# KiCad board klofi.kicad_pcb (continued)
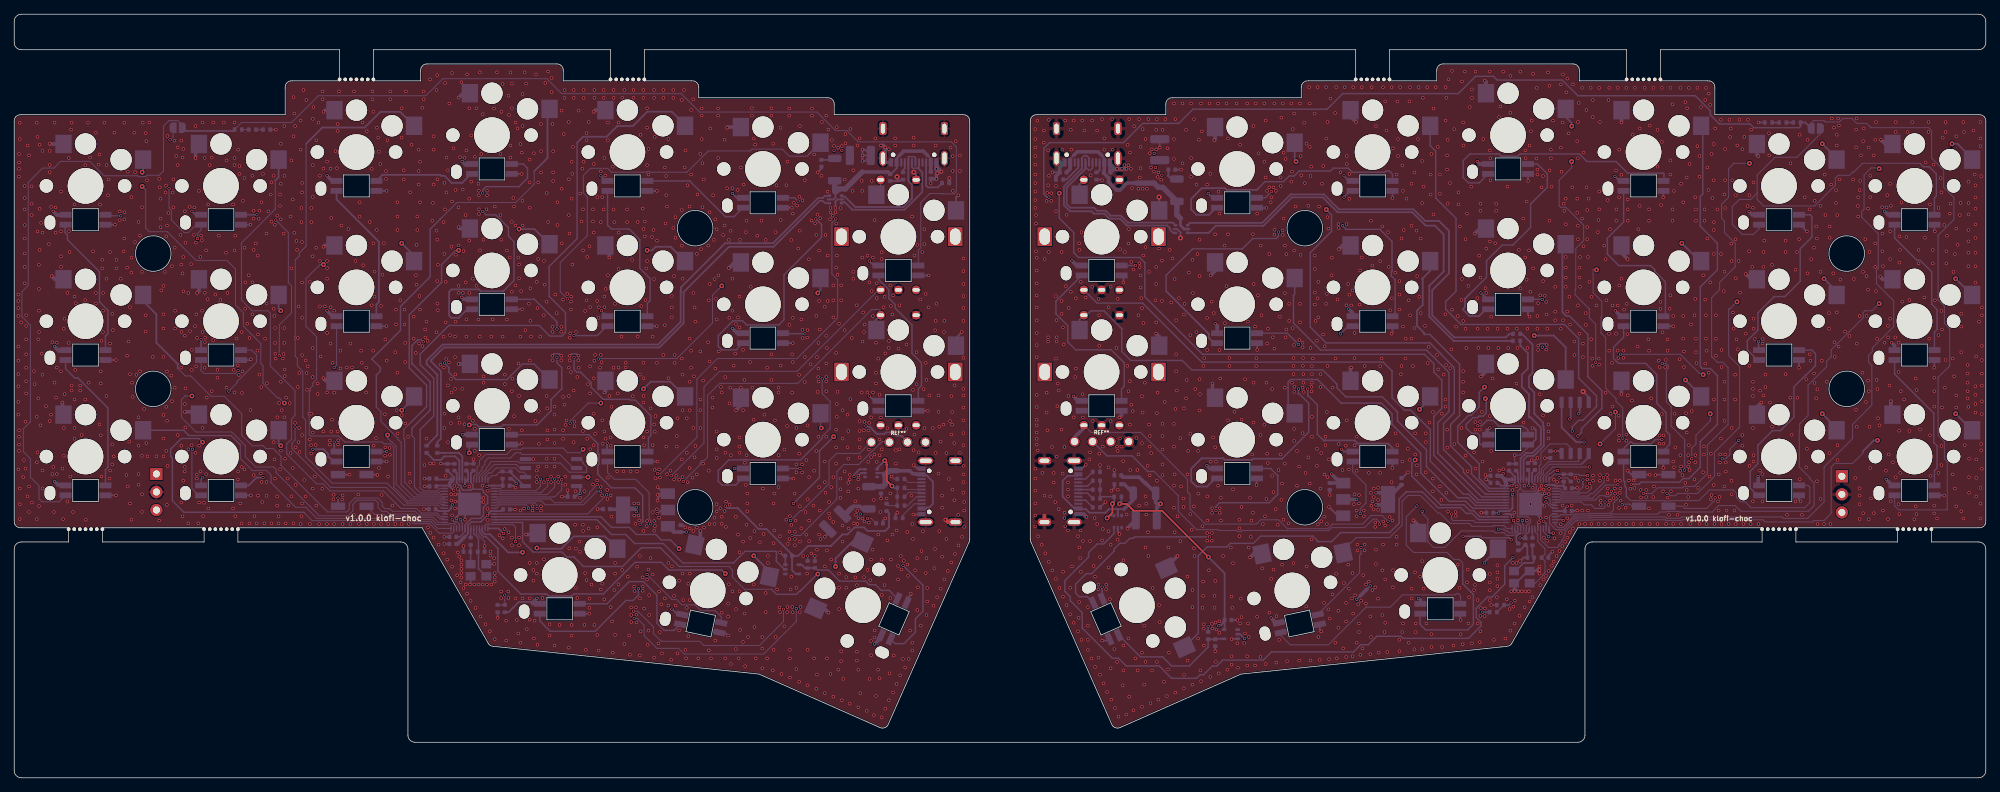
[diagram p0: board, top side]
## Routing (per net, layer and track width the routed paths; a pad name or vN(x,y) marks a point on that pad's centre or on a via; arc(x,y) is an arc through that point) (continued)
GNDR: length 160
  Front w0.508: J6.S3 144.86,36.88
  Back w0.152: v1(152.68,44.02) 152.69,44.01 rR8.1 ; v1(213.38,44.72) 213.8,44.3 rC9.2 ; v1(213.38,44.72) 212.95,44.3 rC16.2 ; v1(213.38,44.72) 213.88,44.72 v1(214.18,45.02) ; v1(153.43,38.82) 153.43,38.81 ; rLED16.3 212.85,46.52 211.75,45.42 v1(210.98,45.42) 210.98,44.4 rC17.2 ; 156.58,35.19 v1(156.58,35.07)
  Back w0.203: v1(219.78,37.62) 219.38,37.62 219.3,37.54 rC11.2 ; v1(215.49,60.92) 215.28,61.12 214.57,61.12 v1(214.29,60.85) ; rU5.19 214.22,35.81 v1(214.39,35.98) ; 153.43,38.81 rR7.1 ; rR2.2 v1(207.68,24.32)
  Back w0.254: v1(211.74,30.5) 212.24,31 rC23.2 212.76,32.5 rC10.2 211.74,32.02 rC8.2 ; 160.76,79.12 160.96,79.32 161.43,79.32 161.53,79.42 ; v1(157.18,83.02) 157.28,83.02 ; rC12.2 v1(206.29,37.32) ; v1(193.78,81.62) 193.8,81.64 rLED5.3 ; v1(271.38,39.72) 271.33,39.76 rLED13.3 ; rLED4.3 212.85,84.04 v1(212.88,84.02) ; v1(210.49,26.25) 210.89,26.65 rY1.2 ; 220.49,54.5 221.39,53.59 rU3.4 ; v2(163.99,76) 163.99,76.8 163.54,77.25 rU2.2 ; rR18.2 v1(245.26,92.25) ; v1(193.78,43.62) 193.8,43.64 rLED17.3 ; rLED20.3 183.58,20.81 v1(183.78,20.62) ; 213.84,29.1 214.34,29.1 v1(214.49,29.25) ; 213.84,29.1 v1(214.49,29.75) v1(214.49,28.75) 214.14,29.1 213.84,29.1 ; 213.84,29.1 rY1.4 212.84,29.1 211.14,27.4 rY1.2 ; rC20.2 154.7,43.3 v1(154.68,43.32) ; v1(231.88,43.62) 231.9,43.64 rLED15.3 ; v1(213.22,38.54) 213.22,39.36 213.87,40.01 213.94,40.01 214.35,40.42 214.35,40.48 v1(214.49,40.63) ; v1(213.22,38.54) 214.85,38.54 v1(215.15,38.24) ; v1(213.22,38.54) 213.22,37.97 v1(214.63,36.56) ; v1(213.22,38.54) 213.7,38.54 v1(215.2,40.05) ; v1(213.22,38.54) 212.65,39.11 ; v1(215.24,45) 215.26,45.02 rC3.2 ; v1(206.98,42.02) 207.1,42.02 rC13.2 ; rLED8.3 250.95,57.74 v1(250.98,57.72) ; v1(155.98,69.72) 155.98,70.44 rEXLED1.3 ; v1(210.99,26.25) 210.89,26.35 rY1.2 ; rC22.2 215.72,31.26 v1(216.28,31.82) ; rY1.2 210.89,26.85 v1(211.49,26.25) v1(212.99,26.25) ; v1(213.08,64.92) 212.85,65.14 rLED10.3 ; v1(145.99,85.25) 146.98,85.25 rC6.2 ; rSW10.2 206.07,77.32 ; 226,92.26 v1(225.99,92.25) ; rSW21.2 162.01,29.65 ; v1(154.28,40.42) 154.7,40.84 rC21.2 ; v1(174.68,41.22) 174.68,42.07 rLED18.3 ; v1(270.08,76.92) 270,76.99 rLED1.3 ; v1(193.68,62.52) 193.8,62.64 rLED11.3 ; v1(203.38,22.22) 203.33,22.27 rLED19.3 ; v1(233.28,63.57) rLED9.3 ; v1(168.88,17.82) rC25.2 ; 263.88,51.35 rSW13.2 ; J6.B1 150.13,43.52 v1(150.68,44.07) ; rSMDSW2.1 230.84,42.68 v1(230.78,42.62) ; rLED3.3 231.9,81.74 v1(231.88,81.72) ; v1(152.98,84.12) 152.89,84.21 rR6.1 ; rU6.3 171.23,19.57 v1(171.18,19.52) ; v1(213.48,49.22) 213.71,49.22 213.96,48.97 213.96,47.64 213.22,46.9 rLED16.3 ; rU5.32 210.35,37.14 v1(210.68,36.82) ; v1(219.78,40.82) 219.72,40.76 rC15.2 ; rSMDSW1.1 228.48,42.63 v1(227.7,41.85) ; rSMDSW1.1 v1(229.98,42.68) ; rSMDSW1.1 227.41,42.68 v1(226.88,43.22) ; rLED6.3 174.77,80.22 v1(176.08,80.22) ; rC2.2 195.17,42.21 v1(195.98,43.02) ; rC24.2 v1(171.98,22.22) ; rSW9.2 226,73.89 ; 225.99,55.87 rSW15.2 ; v1(152.98,19.32) 153.8,19.32 rLED21.3 ; rU4.2 155.18,34.57 v1(155.43,34.32) ; v1(184.98,39.82) rC1.2 ; rC4.2 v1(161.08,88.72) ; rLED12.3 174.78,61.17 v1(174.78,60.22) ; v2(160.99,81.75) 161,81.74 rEXSW1.S1 ; v1(269.98,57.72) 270,57.74 rLED7.3 ; rSW8.2 244.22,70.17 ; rC5.2 v1(164.08,85.62) ; v1(251.18,38.92) 250.95,39.14 rLED14.3 ; rU1.1 186.11,36.88 v1(184.88,38.12) ; rC14.2 206.98,42.52 v1(206.88,42.62) ; rC18.2 rC17.2 ; v1(252.08,76.92) 251.13,77.86 rLED2.3 ; 161.52,78.92 161.98,78.92
  Back w0.508: v1(156.4,85.72) 154.88,85.72 154.08,86.53 J5.B1 154.08,85.3 rC7.2 154.66,85.72 v1(155.08,85.72) ; v1(168.74,89.75) 168.85,89.86 rSW6.2 ; v1(225.99,54) 225.99,55.87 ; rSW19.2 197.43,35.56 v1(196.74,36.25) ; J5.A1 147.01,85.96 rC6.2 146.48,84.69 rR5.1 ; J5.A1 147.13,86.63 J5.S1 ; J5.A1 147.68,86.42 ; v1(168.49,55.5) 168.49,53.87 rSW18.2 ; rSW3.2 226,92.26 ; v1(187.99,57.75) 187.9,57.66 rSW17.2 ; rSW5.2 187.9,93.09 v1(188.68,92.32) ; 206.07,77.32 v1(205.38,76.62) ; rEXSW2.S1 161,62.09 v1(160.58,62.52) ; 226,73.89 v1(226.88,73.02) ; J6.A1 150.38,37.12 v1(150.78,36.72) ; v1(262.49,89.82) 263.08,89.22 rSW1.2 ; rSW16.2 206.95,57.21 v1(206.24,56.5) ; rC19.2 156.58,35.19 ; v1(168.24,70.75) 168.85,71.36 rSW12.2 ; 162.01,29.65 v1(163.58,31.22) ; v1(245.24,87.5) 245.05,87.69 rSW2.2 ; rSW11.2 186.79,74.94 v1(186.28,74.42) ; rSW4.2 206.95,97.94 v1(206.78,98.12) ; v1(245.68,52.82) 245.05,52.19 rSW14.2 ; v1(155.39,50.72) 155.7,51.03 rEXLED2.3 ; v1(173.78,31.02) 174.27,31.51 rSW20.2 ; 244.22,70.17 v1(243.48,70.92) ; v1(263.88,53.02) 263.88,51.35 ; v1(262.38,70.52) 262.72,70.17 rSW7.2
  Back w0.762: 161.28,80.32 161.48,80.32
  vias: v1(143.58,91.32) v1(143.58,89.92) v1(143.58,88.72) v1(143.58,87.52) v1(143.58,86.32) v1(143.58,84.92) v1(143.58,83.72) v1(143.58,82.52) v1(143.58,81.32) v1(143.58,80.22) v1(143.58,43.52) v1(143.58,42.12) v1(143.58,40.42) v1(143.58,38.62) v1(143.58,36.92) v1(143.58,35.4) v1(143.68,79.22) v1(143.68,78.02) v1(143.68,74.12) v1(143.78,73.2) v1(143.78,71.4) v1(143.78,69.6) v1(143.78,67.9) v1(143.78,66.2) v1(143.78,64.4) v1(143.78,62.6) v1(143.78,60.9) v1(143.78,59.2) v1(143.78,53.9) v1(143.78,52.2) v1(143.78,50.4) v1(143.78,49.62) v1(143.78,48.6) v1(143.78,47.72) v1(143.78,46.9) v1(143.88,92.52) v1(143.93,46.07) v1(143.98,34) v1(144.48,32.8) v1(144.58,42.92) v1(144.78,91.12) v1(144.78,89.42) v1(144.88,73.02) v1(144.88,39.72) v1(144.98,31.6) v1(145.26,82.33) v1(145.17,81.21) v1(145.18,54.22) v1(145.18,51.42) v1(145.28,48.92) v1(145.38,88.32) v1(145.38,83.42) v1(145.38,62.02) v1(145.38,61.42) v1(145.48,92.62) v1(145.49,84.75) v1(145.48,74.02) v1(145.48,30.4) v1(145.68,39.62) v1(145.81,82.29) v1(145.81,81.21) v1(145.93,46.57) v1(145.98,29.2) v1(146.18,42.92) v1(146.18,41.57) v1(146.38,38.82) v1(146.49,83.32) v1(146.49,79.75) v1(146.48,67.82) v1(146.49,59) v1(146.48,28) v1(146.58,64.42) v1(146.58,62.02) v1(146.58,61.42) v1(146.58,45.22) v1(146.74,55.5) v1(146.68,52.32) v1(146.88,54.52) v1(146.88,37.82) v1(146.98,26.7) v1(147.28,74.02) v1(147.28,67.12) v1(147.28,65.32) v1(147.28,49.02) v1(147.38,88.42) v1(147.43,42.82) v1(147.48,63.42) v1(147.49,29) v1(147.48,25.5) v1(147.58,61.02) v1(147.68,46.57) v1(147.68,37.32) v1(147.68,36.57) v1(147.78,92.52) v1(147.78,35.42) v1(147.88,69.22) v1(147.99,79.25) v1(147.98,24.3) v1(148.24,53.75) v1(148.18,41.57) v1(148.18,40.57) v1(148.18,39.62) v1(148.18,34.82) v1(148.28,66.12) v1(148.49,26.75) v1(148.48,23.02) v1(148.58,91.22) v1(148.58,68.42) v1(148.68,88.42) v1(148.74,29.75) v1(148.98,92.52) v1(148.99,50.75) v1(148.98,21.82) v1(149.18,56.42) v1(149.28,67.52) v1(149.28,57.62) v1(149.58,34.02) v1(149.58,20.62) v1(149.74,75.25) v1(149.74,24.75) v1(149.68,22.52) v1(149.78,74.32) v1(149.78,32.42) v1(149.93,34.82) v1(149.88,30.92) v1(149.98,69.82) v1(149.99,29) v1(150.08,76.82) v1(150.08,19.42) v1(150.18,92.52) v1(150.24,54) v1(150.28,50.72) v1(150.28,33.32) v1(150.48,91.12) v1(150.68,67.62) v1(150.98,24.02) v1(150.98,21.42) v1(150.98,19.42) v1(150.98,18) v1(151.18,44.82) v1(151.28,45.82) v1(151.28,33.32) v1(151.38,84.82) v1(151.48,16.8) v1(151.58,92.52) v1(151.58,69.12) v1(151.68,50.22) v1(151.78,29.82) v1(151.93,36.57) v1(151.98,28.32) v1(151.98,15.6) v1(152.28,91.12) v1(152.28,35.72) v1(152.46,27.2) v1(152.43,26.53) v1(152.48,67.42) v1(152.55,65.12) v1(152.48,16.92) v1(152.58,60.82) v1(152.58,45.62) v1(152.68,31.07) v1(152.68,14.5) v1(152.98,92.72) v1(152.98,33.42) v1(153.08,46.62) v1(153.08,35.02) v1(153.18,13.3) v1(153.28,90.02) v1(153.28,88.42) v1(153.55,27.18) v1(153.53,26.55) v1(153.68,12.1) v1(153.88,66.25) v1(153.88,43.72) v1(153.88,34.72) v1(153.88,29.62) v1(154.07,25.15) v1(154.18,69.12) v1(154.18,50.22) v1(154.18,32.82) v1(154.18,15.42) v1(154.28,11) v1(154.38,92.72) v1(154.48,88.42) v1(154.68,18.12) v1(154.78,9.8) v1(154.99,60.5) v1(155.08,46.62) v1(155.08,16.32) v1(155.18,67.42) v1(155.18,46.02) v1(155.18,40.57) v1(155.18,33.52) v1(155.28,8.6) v1(155.49,74.42) v1(155.49,47.75) v1(155.68,46.62) v1(155.78,85.72) v1(155.93,44.57) v1(155.88,13.02) v1(155.98,30.62) v1(155.98,18.62) v1(155.98,15.12) v1(156.1,86.25) v1(156.18,74.02) v1(156.43,37.07) v1(156.38,8.9) v1(156.53,58) v1(156.58,89.12) v1(156.68,86.22) v1(156.74,77.25) v1(156.68,75.22) v1(156.68,54.42) v1(156.68,19.62) v1(156.78,92.72) v1(156.78,11.42) v1(156.88,88.02) v1(156.88,55.82) v1(156.88,49.72) v1(156.93,43.32) v1(157.03,85.72) v1(157.08,72.62) v1(157.08,52.52) v1(157.28,51.62) v1(157.4,71.56) v1(157.38,9.5) v1(157.48,91.72) v1(157.68,16.82) v1(157.78,47.82) v1(157.93,43.32) v1(157.98,15.12) v1(158.08,82.92) v1(158.08,65.12) v1(158.08,45.52) v1(158.18,92.72) v1(158.21,72.44) v1(158.26,71.89) v1(158.18,38.32) v1(158.28,84.52) v1(158.38,88.82) v1(158.38,85.82) v1(158.38,70.72) v1(158.38,69.02) v1(158.48,67.52) v1(158.58,66.12) v1(158.58,53.72) v1(158.58,47.12) v1(158.58,17.62) v1(158.58,10) v1(158.68,91.32) v1(158.68,82.92) v1(158.68,51.42) v1(158.78,73.52) v1(158.78,64.02) v1(158.88,21.42) v1(158.88,13.12) v1(158.98,55.62) v1(159.08,89.92) v1(159.08,74.72) v1(159.08,39.62) v1(159.08,32.42) v1(159.08,16.32) v1(159.18,38.57) v1(159.18,37.07) v1(159.28,82.92) v1(159.38,43.92) v1(159.43,34.57) v1(159.48,92.72) v1(159.48,31.22) v1(159.58,71.22) v1(159.58,49.72) v1(159.67,87.92) v1(159.68,48.12) v1(159.68,46.62) v1(159.68,42.57) v1(159.85,85.92) v1(159.78,10.5) v1(159.88,45.72) v1(159.97,88.48) v1(159.99,15.12) v1(160.08,26.72) v1(160.27,85.33) v1(160.48,67.22) v1(160.58,91.22) v1(160.57,88.45) v1(160.58,71.92) v1(160.58,69.52) v1(160.58,64.12) v1(160.68,92.72) v1(160.68,51.32) v1(160.68,41.82) v1(160.68,16.32) v1(160.79,84.59) v1(160.78,54.22) v1(160.89,85.21) v1(160.88,11) v1(160.98,74.52) v1(160.98,24.32) v1(161.08,21.92) v1(161.27,84.2) v1(161.38,72.82) v1(161.38,67.12) v1(161.48,91.22) v1(161.48,49.82) v1(161.48,48.12) v1(161.48,46.22) v1(161.48,44.12) v1(161.48,42.62) v1(161.68,13.52) v1(161.78,52.92) v1(161.88,92.72) v1(162.08,11.5) v1(162.18,88.62) v1(162.24,15.25) v1(162.28,32.42) v1(162.38,17.62) v1(162.48,74.32) v1(162.68,66.92) v1(162.88,73.12) v1(163.08,94.92) v1(163.08,89.92) v1(163.08,87.12) v1(163.08,49.82) v1(163.08,46.62) v1(163.08,41.12) v1(163.08,38.02) v1(163.18,70.22) v1(163.18,42.72) v1(163.18,34.57) v1(163.28,92.72) v1(163.28,51.92) v1(163.28,12) v1(163.38,64.42) v1(163.38,59.62) v1(163.38,57.22) v1(163.48,54.52) v1(163.58,36.82) v1(163.78,67.52) v1(163.98,47.82) v1(163.98,33.32) v1(164.08,41.02) v1(164.28,94.92) v1(164.28,86.52) v1(164.43,39.32) v1(164.43,38.12) v1(164.48,65.22) v1(164.48,52.02) v1(164.49,14.5) v1(164.48,12.6) v1(164.58,66.72) v1(164.78,91.22) v1(164.78,53.42) v1(164.88,56.02) v1(164.98,42.72) v1(164.98,28.32) v1(164.99,16.5) v1(165.08,46.02) v1(165.18,71.12) v1(165.38,62.32) v1(165.38,48.42) v1(165.38,37.12) v1(165.48,94.92) v1(165.48,87.25) v1(165.48,84.62) v1(165.58,34.92) v1(165.68,72.92) v1(165.74,68.25) v1(165.68,26.42) v1(165.68,24.02) v1(165.68,13.1) v1(165.88,92.72) v1(165.88,38.22) v1(165.88,32.32) v1(165.98,31.22) v1(166.08,54.72) v1(166.24,83.5) v1(166.24,62.75) v1(166.38,73.72) v1(166.48,46.02) v1(166.49,40) v1(166.48,19.62) v1(166.58,89.82) v1(166.68,75.75) v1(166.68,70.62) v1(166.68,56.12) v1(166.74,54.02) v1(166.68,51.72) v1(166.78,15.12) v1(166.88,94.92) v1(166.88,13.6) v1(166.99,91) v1(167.08,35.42) v1(167.08,23.92) v1(167.22,57.98) v1(167.18,27.62) v1(167.18,25.62) v1(167.32,59.09) v1(167.28,21.62) v1(167.28,21.02) v1(167.28,18.62) v1(167.74,83.5) v1(167.74,64.75) v1(167.74,60.22) v1(167.75,34.45) v1(167.75,33.38) v1(167.78,39.62) v1(167.78,36.22) v1(167.98,29.22) v1(168.08,94.92) v1(168.18,85.02) v1(168.24,44.5) v1(168.18,14.2) v1(168.38,67.02) v1(168.44,37.94) v1(168.44,37.3) v1(168.41,34.46) v1(168.4,33.38) v1(168.41,21.66) v1(168.48,21.02) v1(168.58,47.92) v1(168.68,65.42) v1(168.78,25.62) v1(168.78,23.92) v1(168.88,76.52) v1(168.88,46.52) v1(168.88,27.72) v1(168.93,21.85) v1(168.99,44.5) v1(169.05,20.88) v1(168.98,16.32) v1(169.28,94.92) v1(169.34,82.5) v1(169.28,41.12) v1(169.38,14.7) v1(169.48,79.42) v1(169.48,60.22) v1(169.51,37.94) v1(169.51,37.3) v1(169.48,22.04) v1(169.47,20.41) v1(169.58,56.22) v1(169.68,39.42) v1(169.68,36.22) v1(169.98,31.22) v1(170.18,74.92) v1(170.24,64) v1(170.48,94.92) v1(170.48,69.22) v1(170.58,15.2) v1(170.68,90.02) v1(170.68,76.52) v1(170.68,50.32) v1(170.86,59.11) v1(170.88,57.98) v1(171.08,32.42) v1(171.18,25.52) v1(171.18,17.12) v1(171.18,15.92) v1(171.28,23.92) v1(171.38,40.62) v1(171.38,30.22) v1(171.58,51.52) v1(171.88,94.92) v1(171.98,18.92) v1(172.08,15.5) v1(172.28,36.32) v1(172.28,35.12) v1(172.28,34.02) v1(172.38,89.12) v1(172.38,21.72) v1(172.48,25.22) v1(172.58,50.42) v1(172.58,38.12) v1(172.58,22.62) v1(172.95,18.98) v1(173.08,56.12) v1(173.08,20.32) v1(173.38,94.92) v1(173.38,17.12) v1(173.38,15.8) v1(173.48,64.22) v1(173.48,21.72) v1(173.58,32.42) v1(173.59,19.82) v1(173.78,39.42) v1(173.88,33.92) v1(173.98,36.22) v1(174.08,45.52) v1(174.24,91.75) v1(174.18,76.52) v1(174.18,37.32) v1(174.28,69.52) v1(174.28,55.62) v1(174.28,50) v1(174.48,63.52) v1(174.48,15.8) v1(174.58,94.92) v1(174.65,59.07) v1(174.63,57.96) v1(174.76,22.67) v1(174.78,79.42) v1(174.88,67.92) v1(174.98,87.92) v1(175.24,48.25) v1(175.24,17.02) v1(175.28,74.92) v1(175.38,65.12) v1(175.49,29.5) v1(175.58,35.72) v1(175.78,94.92) v1(175.78,86.72) v1(175.78,49.72) v1(175.88,36.82) v1(175.98,92.52) v1(175.98,84.52) v1(175.98,16.02) v1(176.16,82.62) v1(176.08,55.62) v1(176.08,39.25) v1(176.18,61.12) v1(176.18,45.62) v1(176.28,63.22) v1(176.28,44.32) v1(176.48,83.12) v1(176.48,73.72) v1(176.49,23.25) v1(176.68,81.02) v1(176.74,28.02) v1(176.78,81.72) v1(176.88,54.72) v1(176.88,42.52) v1(176.98,62.02) v1(177.08,83.12) v1(177.08,40.22) v1(177.08,29.32) v1(177.18,94.92) v1(177.24,77.14) v1(177.2,76.45) v1(177.18,60.42) v1(177.39,82.62) v1(177.38,37.82) v1(177.49,22.75) v1(177.48,16.22) v1(177.68,35.62) v1(177.78,43.32) v1(177.88,19.42) v1(177.98,64.92) v1(178.08,84.52) v1(178.08,83.32) v1(178.08,45.52) v1(178.18,92.92) v1(178.18,39.12) v1(178.36,77.05) v1(178.28,41.42) v1(178.28,30.02) v1(178.38,94.92) v1(178.38,76.42) v1(178.49,88) v1(178.48,78.72) v1(178.48,36.32) v1(178.68,74.92) v1(178.68,68.22) v1(178.68,54.92) v1(178.68,44.22) v1(178.78,87.12) v1(178.78,62.02) v1(178.88,73.72) v1(178.88,63.12) v1(178.98,16.42) v1(179.18,35.82) v1(179.28,66.72) v1(179.28,64.32) v1(179.58,94.92) v1(179.58,83.92) v1(179.68,85.32) v1(179.68,55.62) v1(179.78,91.32) v1(179.78,63.32) v1(179.96,60.92) v1(179.88,59.1) v1(179.87,57.98) v1(179.88,56.83) v1(179.88,30.22) v1(179.98,93.52) v1(179.98,74.22) v1(180.04,55.04) v1(179.98,54.32) v1(179.98,49.12) v1(179.98,47.42) v1(180.18,80.42) v1(180.38,46.02) v1(180.38,41.12) v1(180.7,61.63) v1(180.68,43.82) v1(180.68,16.52) v1(180.78,94.92) v1(180.78,66.72) v1(180.78,64.12) v1(180.88,87.52) v1(180.88,73.62) v1(180.98,84.82) v1(181.16,61.25) v1(181.18,60.62) v1(181.23,59.1) v1(181.2,57.99) v1(181.18,54.92) v1(181.18,48.52) v1(181.28,56.82) v1(181.28,55.62) v1(181.33,54.31) v1(181.38,92.22) v1(181.48,83.72) v1(181.58,42.92) v1(181.74,89.25) v1(181.74,29.75) v1(181.68,24.12) v1(181.98,80.52) v1(181.98,45.12) v1(182.08,97.22) v1(182.18,94.92) v1(182.18,88.82) v1(182.18,41.42) v1(182.28,84.72) v1(182.28,60.52) v1(182.28,16.52) v1(182.38,86.02) v1(182.41,55.04) v1(182.41,54.39) v1(182.43,33.57) v1(182.47,57.95) v1(182.48,56.82) v1(182.48,55.62) v1(182.48,50.82) v1(182.48,48.02) v1(182.6,59.03) v1(182.88,93.52) v1(182.88,73.52) v1(182.89,71.62) v1(182.89,68.32) v1(182.89,66.62) v1(182.99,64.32) v1(183.18,61.52) v1(183.18,46.32) v1(183.18,43.92) v1(183.28,97.22) v1(183.28,67.5) v1(183.33,35.69) v1(183.38,69.82) v1(183.38,64.82) v1(183.38,19.82) v1(183.48,80.42) v1(183.58,16.62) v1(183.68,56.82) v1(183.68,55.02) v1(183.68,40.72) v1(183.78,45.72) v1(183.78,36.13) v1(183.88,83.62) v1(184.04,62.4) v1(184.08,86.12) v1(184.24,42.7) v1(184.2,36.76) v1(184.18,24.62) v1(184.27,60.75) v1(184.38,48.02) v1(184.38,46.82) v1(184.48,97.22) v1(184.49,90) v1(184.48,66.72) v1(184.58,68.12) v1(184.58,51.5) v1(184.58,35.72) v1(184.68,92.32) v1(184.68,78.92) v1(184.68,57.98) v1(184.68,42.32) v1(184.78,77.32) v1(184.78,23.72) v1(184.88,44.82) v1(184.88,16.7) v1(184.98,22.42) v1(185.08,95.62) v1(185.24,70.75) v1(185.28,73.22) v1(185.38,54.92) v1(185.38,25.82) v1(185.73,93.59) v1(185.78,59.03) v1(185.78,19.02) v1(185.88,97.22) v1(185.88,28.72) v1(185.98,16.82) v1(186.08,67.32) v1(186.19,77.95) v1(186.24,77.4) v1(186.24,47) v1(186.18,23.52) v1(186.18,21.12) v1(186.49,85.25) v1(186.78,43.32) v1(186.88,18.22) v1(186.98,27.42) v1(187.08,97.22) v1(187.24,46.75) v1(187.36,77.95) v1(187.32,66.53) v1(187.28,24.62) v1(187.28,22.02) v1(187.28,17) v1(187.38,87.52) v1(187.38,86.42) v1(187.38,50.32) v1(187.58,69.52) v1(187.58,30.02) v1(187.74,85) v1(187.74,81.5) v1(187.74,68) v1(187.68,43.42) v1(187.68,26.62) v1(187.99,66.5) v1(188.11,25.25) v1(188.18,68.62) v1(188.18,28.82) v1(188.18,17.12) v1(188.28,97.22) v1(188.28,23.12) v1(188.46,59.08) v1(188.38,38.52) v1(188.48,62.62) v1(188.48,46.82) v1(188.48,39.92) v1(188.54,25.7) v1(188.78,48.02) v1(188.78,43.22) v1(188.78,37.62) v1(188.78,36.82) v1(188.78,19.02) v1(188.88,32.82) v1(188.88,32.02) v1(188.98,24.44) v1(189.09,39.8) v1(189.08,38.62) v1(189.08,21.72) v1(189.08,20.52) v1(189.24,71.42) v1(189.18,66.62) v1(189.28,17.3) v1(189.38,24.92) v1(189.48,97.22) v1(189.49,73.25) v1(189.58,18.22) v1(189.68,28.52) v1(189.78,37.62) v1(189.78,36.82) v1(189.88,57.97) v1(189.88,32.82) v1(189.88,32.02) v1(190.08,27.22) v1(190.08,24.52) v1(190.48,42.92) v1(190.47,27.62) v1(190.68,22.72) v1(190.68,17.4) v1(190.78,78.42) v1(190.78,40.12) v1(190.82,38.31) v1(190.78,19.82) v1(190.88,97.22) v1(190.98,72.12) v1(190.98,38.92) v1(190.98,26.42) v1(191.16,37.79) v1(191.18,40.72) v1(191.18,39.52) v1(191.38,35.94) v1(191.38,35.32) v1(191.38,26.82) v1(191.48,91.72) v1(191.48,32.12) v1(191.48,30.12) v1(191.78,40.82) v1(191.78,39.12) v1(191.78,37.72) v1(191.78,25.22) v1(191.88,17.62) v1(192.08,72.72) v1(192.08,57.96) v1(192.08,42.92) v1(192.28,59.04) v1(192.38,77.62) v1(192.38,29.22) v1(192.38,22.92) v1(192.48,97.22) v1(192.5,36.08) v1(192.48,32.82) v1(192.68,20.52) v1(192.78,95.22) v1(192.78,35.52) v1(192.78,27.92) v1(192.78,21.82) v1(192.98,91.12) v1(193.08,17.7) v1(193.18,76.82) v1(193.28,71.92) v1(193.41,36.7) v1(193.48,65.82) v1(193.68,97.22) v1(193.72,67.5) v1(193.68,41.62) v1(193.79,36.22) v1(193.88,88.62) v1(193.88,29.22) v1(193.88,26.82) v1(194.18,71.12) v1(194.24,48.5) v1(194.38,84.92) v1(194.38,33.92) v1(194.38,32.82) v1(194.48,95.22) v1(194.48,46.82) v1(194.58,89.92) v1(194.58,87.52) v1(194.78,69.92) v1(194.78,68.02) v1(194.78,65.92) v1(194.78,19.42) v1(194.78,17.82) v1(194.88,97.22) v1(194.98,56.82) v1(195.08,75.92) v1(195.08,57.96) v1(195.18,86.22) v1(195.18,44.52) v1(195.18,20.52) v1(195.28,82.62) v1(195.28,63.52) v1(195.28,21.72) v1(195.38,77.12) v1(195.6,59.04) v1(195.68,61.82) v1(195.78,81.52) v1(195.98,46.32) v1(196.08,67.22) v1(196.08,19.02) v1(196.18,95.22) v1(196.24,44.75) v1(196.28,97.22) v1(196.28,65.12) v1(196.48,83.62) v1(196.48,77.72) v1(196.48,61.82) v1(196.49,26.62) v1(196.49,25.25) v1(196.68,57.96) v1(196.88,85.22) v1(196.88,63.32) v1(196.88,18.1) v1(196.99,48.5) v1(196.99,45.5) v1(196.98,28.92) v1(197.08,21.72) v1(197.08,20.52) v1(197.18,77.02) v1(197.24,44) v1(197.18,42.72) v1(197.28,70.62) v1(197.38,89.92) v1(197.48,97.22) v1(197.58,67.72) v1(197.68,28.32) v1(197.78,75.92) v1(197.78,65.42) v1(197.98,86.82) v1(197.98,80.92) v1(197.99,30.5) v1(197.98,18.12) v1(198.08,95.72) v1(198.18,83.22) v1(198.18,26.62) v1(198.38,63.62) v1(198.49,48.5) v1(198.49,47.25) v1(198.48,43.02) v1(198.58,21.72) v1(198.68,97.22) v1(198.76,58.39) v1(198.89,60.68) v1(198.99,50) v1(199.18,84.92) v1(199.18,82.12) v1(199.28,87.82) v1(199.28,20.22) v1(199.28,18.4) v1(199.49,51.5) v1(199.48,42.12) v1(199.48,40.32) v1(199.58,94.22) v1(199.58,79.32) v1(199.88,97.22) v1(200.06,59.52) v1(200.18,88.82) v1(200.24,57.5) v1(200.48,84.92) v1(200.48,82.22) v1(200.48,41.02) v1(200.74,51.25) v1(200.68,39.12) v1(200.78,18.42) v1(200.99,56.75) v1(201.24,65.25) v1(201.24,53.25) v1(201.24,52.25) v1(201.28,97.22) v1(201.28,92.52) v1(201.34,58.1) v1(201.38,95.72) v1(201.38,40.12) v1(201.48,87.62) v1(201.48,85.62) v1(201.49,49) v1(201.53,46.48) v1(201.58,89.82) v1(201.58,80.82) v1(201.61,37.47) v1(201.68,98.32) v1(201.88,83.72) v1(201.92,57.68) v1(202.08,60.32) v1(202.18,99.5) v1(202.19,65.9) v1(202.38,18.62) v1(202.48,91.32) v1(202.49,46.98) v1(202.74,63.5) v1(202.68,37.42) v1(202.7,36.86) v1(202.99,65) v1(202.99,30) v1(203.08,82.42) v1(203.08,80.72) v1(203.24,26.75) v1(203.28,77.62) v1(203.38,20.22) v1(203.49,67.25) v1(203.49,49.25) v1(203.58,98.02) v1(203.58,70.22) v1(203.74,92.25) v1(203.74,64.3) v1(203.74,57.25) v1(203.74,55.75) v1(203.74,54.25) v1(203.68,18.8) v1(203.78,89.02) v1(203.98,99.42) v1(204.08,75.82) v1(204.08,63.22) v1(204.08,45.35) v1(204.18,60.52) v1(204.28,79.42) v1(204.28,27.52) v1(204.38,43.16) v1(204.38,29.32) v1(204.49,69.25) v1(204.48,21.72) v1(204.58,25.42) v1(204.68,94.42) v1(204.88,83.22) v1(204.98,96.92) v1(204.98,95.72) v1(204.98,18.92) v1(205.28,45.82) v1(205.28,26.42) v1(205.43,50.08) v1(205.4,27.14) v1(205.48,99.4) v1(205.47,49.01) v1(205.48,43.52) v1(205.74,67.52) v1(205.78,63.22) v1(205.78,25.02) v1(205.78,21.72) v1(205.88,60.52) v1(205.99,73.5) v1(206.12,50.08) v1(206.08,49.01) v1(206.15,22.79) v1(206.08,19.1) v1(206.18,80.82) v1(206.18,79.82) v1(206.18,70.42) v1(206.24,23.9) v1(206.18,20.62) v1(206.38,51.52) v1(206.48,44.52) v1(206.58,89.91) v1(206.8,23.85) v1(206.78,22.77) v1(206.88,68.92) v1(206.99,74.5) v1(206.99,68.25) v1(207.18,63.22) v1(207.28,60.52) v1(207.48,99.4) v1(207.49,88.32) v1(207.49,75.5) v1(207.49,50.92) v1(207.49,28.7) v1(207.49,27.5) v1(207.49,26.4) v1(207.49,25) v1(207.58,87.22) v1(207.58,84.12) v1(207.58,43.32) v1(207.68,64.92) v1(207.68,46.02) v1(207.88,56.22) v1(208.08,19.4) v1(208.24,75.25) v1(208.38,80.82) v1(208.38,79.82) v1(208.54,29.92) v1(208.54,28.92) v1(208.54,28.02) v1(208.54,26.97) v1(208.49,25.42) v1(208.58,63.22) v1(208.68,60.52) v1(208.78,93.02) v1(208.81,43.27) v1(208.98,94.52) v1(209.38,99.4) v1(209.38,43.44) v1(209.68,19.6) v1(209.88,25.12) v1(209.98,83.22) v1(209.98,63.22) v1(210.08,60.52) v1(210.27,23.75) v1(210.38,98.82) v1(210.38,93.62) v1(210.38,20.7) v1(210.7,40.51) v1(210.74,30.25) v1(210.8,24.08) v1(210.93,37.32) v1(211.01,24.94) v1(210.98,21.7) v1(211.24,55.5) v1(211.24,30.25) v1(211.28,63.22) v1(211.28,41.02) v1(211.38,60.52) v1(211.45,36.24) v1(211.58,74.32) v1(211.68,22.8) v1(211.78,99.4) v1(211.78,68.92) v1(211.99,26.25) v1(212.18,78.72) v1(212.24,50) v1(212.35,41.12) v1(212.38,24) v1(212.49,88.32) v1(212.51,87.22) v1(212.48,73.25) v1(212.49,26.25) v1(212.68,81.12) v1(212.68,70.12) v1(212.7,36.2) v1(212.78,63.22) v1(212.78,60.52) v1(212.99,74.25) v1(213.08,89.02) v1(213.08,24.82) v1(213.18,68.42) v1(213.28,91.02) v1(213.38,92.52) v1(213.54,40.83) v1(213.48,25.42) v1(213.58,99.1) v1(213.58,71.72) v1(214.04,87.18) v1(214.08,97.12) v1(214.18,85.62) v1(214.18,84.92) v1(214.18,65.02) v1(214.18,63.22) v1(214.28,66.82) v1(214.27,60.23) v1(214.49,54) v1(214.58,67.92) v1(214.58,27.12) v1(214.75,41.12) v1(214.78,83.12) v1(214.98,84.72) v1(214.98,69.92) v1(214.99,51) v1(215.05,40.58) v1(215.1,33.8) v1(215.08,27.92) v1(215.2,67.85) v1(215.41,67) v1(215.41,60.3) v1(215.4,36.65) v1(215.38,28.42) v1(215.48,65.22) v1(215.54,33.36) v1(215.58,63.22) v1(215.68,99.3) v1(215.74,49.75) v1(215.74,48.75) v1(215.74,47.75) v1(215.82,40.68) v1(215.79,39.93) v1(215.78,29.12) v1(215.88,97.42) v1(215.88,85.52) v1(215.88,78.42) v1(216.08,88.42) v1(216.08,87.22) v1(216.18,83.22) v1(216.21,29.86) v1(216.38,92.52) v1(216.49,41.97) v1(216.48,30.42) v1(216.58,33.72) v1(216.68,69.12) v1(216.68,65.62) v1(216.68,64.42) v1(216.95,41.66) v1(216.88,31.22) v1(217.28,31.92) v1(217.46,35.7) v1(217.46,34.44) v1(217.48,97.62) v1(217.48,88.72) v1(217.48,63.22) v1(217.58,85.32) v1(217.74,92.25) v1(217.73,38.34) v1(217.68,32.62) v1(217.78,99) v1(217.78,64.42) v1(217.88,80.82) v1(217.98,79.82) v1(218.08,33.22) v1(218.24,96.5) v1(218.18,81.52) v1(218.18,77.92) v1(218.18,73.32) v1(218.18,71.82) v1(218.18,70.42) v1(218.18,69.12) v1(218.38,98.42) v1(218.38,65.62) v1(218.38,36.52) v1(218.38,33.82) v1(218.58,90.72) v1(218.68,67.72) v1(218.74,34.57) v1(218.78,63.82) v1(219.01,38.33) v1(219.08,83.12) v1(219.18,97.62) v1(219.18,35.12) v1(219.38,61.42) v1(219.38,59.52) v1(219.53,42.24) v1(219.78,89.62) v1(219.78,81.52) v1(219.78,79.52) v1(219.88,92.32) v1(219.88,87.22) v1(219.88,77.72) v1(219.88,75.82) v1(219.88,66.52) v1(219.96,41.8) v1(219.99,95) v1(220.08,71.82) v1(220.08,70.42) v1(220.08,62.52) v1(220.08,35.72) v1(220.18,73.32) v1(220.18,69.12) v1(220.48,97.12) v1(220.48,78.72) v1(220.48,37.62) v1(220.58,61.12) v1(220.58,59.22) v1(220.68,88.02) v1(220.68,74.82) v1(220.88,35.75) v1(220.98,65.42) v1(220.99,63.75) v1(221.08,94.02) v1(221.08,83.12) v1(221.18,79.92) v1(221.18,77.52) v1(221.18,75.82) v1(221.2,41.99) v1(221.17,40.91) v1(221.28,73.32) v1(221.28,37.62) v1(221.38,81.52) v1(221.48,69.82) v1(221.68,97.12) v1(221.74,61.75) v1(221.78,67.72) v1(221.77,35.75) v1(221.88,59) v1(221.95,58) v1(221.98,95.42) v1(221.98,93.02) v1(221.99,42.53) v1(221.99,41.83) v1(222.49,66.5) v1(222.68,76.82) v1(222.78,78.52) v1(222.8,59) v1(222.85,58.17) v1(222.77,35.75) v1(222.88,97.12) v1(222.88,82.52) v1(222.88,80.02) v1(222.98,92.32) v1(222.98,42.62) v1(222.98,41.82) v1(223.08,39.02) v1(223.08,38.42) v1(223.58,74.92) v1(223.67,35.75) v1(223.78,73.02) v1(223.78,54.22) v1(223.88,67.22) v1(223.98,42.62) v1(224.05,42.01) v1(224.03,40.04) v1(224.08,81.32) v1(224.08,40.72) v1(224.18,95.42) v1(224.24,62.5) v1(224.18,38.42) v1(224.28,97.12) v1(224.28,60.12) v1(224.38,77.22) v1(224.38,39.02) v1(224.49,51.25) v1(224.74,66.5) v1(224.68,58.42) v1(224.74,52.25) v1(224.67,35.75) v1(224.91,39.37) v1(225.08,40.72) v1(225.1,40) v1(225.24,85.5) v1(225.24,62.5) v1(225.18,41.82) v1(225.28,80.02) v1(225.28,78.42) v1(225.48,97.12) v1(225.48,66.5) v1(225.48,60.12) v1(225.55,59.08) v1(225.6,50.97) v1(225.64,47.5) v1(225.66,38) v1(225.68,88.42) v1(225.68,81.72) v1(225.68,69.32) v1(225.68,48.22) v1(225.67,35.75) v1(225.78,41.82) v1(225.83,40.74) v1(225.77,40.12) v1(225.88,39.02) v1(225.99,84.89) v1(225.99,70.25) v1(226.28,60.12) v1(226.28,59.12) v1(226.38,65.92) v1(226.58,38.03) v1(226.68,97.12) v1(226.74,66.72) v1(226.68,48.32) v1(226.68,47.44) v1(226.67,35.75) v1(226.82,62.46) v1(226.88,81.42) v1(226.88,80.02) v1(226.88,78.42) v1(226.89,53.85) v1(227.05,41.85) v1(227.25,40.71) v1(227.48,53.12) v1(227.58,90.52) v1(227.67,35.75) v1(227.8,40.8) v1(227.88,97.12) v1(228.28,60.72) v1(228.38,77.22) v1(228.58,91.42) v1(228.58,80.52) v1(228.7,40.52) v1(228.75,39.48) v1(228.77,35.75) v1(229.28,97.12) v1(229.48,40.52) v1(229.48,39.52) v1(229.78,61.72) v1(229.88,80.02) v1(229.88,78.42) v1(229.88,60.12) v1(229.88,37.92) v1(229.98,91.82) v1(229.97,35.75) v1(230.18,53.42) v1(230.48,97.12) v1(230.48,39.52) v1(230.58,41.02) v1(231.08,91.22) v1(231.08,86.02) v1(231.07,35.75) v1(231.24,58.72) v1(231.36,57.82) v1(231.35,48.15) v1(231.34,47.06) v1(231.49,67) v1(231.48,66.02) v1(231.58,80.62) v1(231.68,97.12) v1(231.68,89.52) v1(231.68,51.22) v1(231.78,62.72) v1(231.84,40.34) v1(231.91,48.2) v1(231.91,47.04) v1(232.14,57.82) v1(232.24,58.82) v1(232.27,35.75) v1(232.48,61.72) v1(232.48,60.12) v1(232.48,39.44) v1(232.68,37.02) v1(232.78,66.02) v1(232.88,97.12) v1(232.88,86.92) v1(232.88,84.92) v1(232.88,67.92) v1(232.95,40.34) v1(233.18,94.82) v1(233.18,80.02) v1(233.18,78.42) v1(233.28,65.02) v1(233.28,44.52) v1(233.27,35.75) v1(233.38,82.62) v1(233.38,43.72) v1(233.49,51.25) v1(233.58,46.52) v1(233.88,37.02) v1(234.18,58.92) v1(234.26,43.22) v1(234.28,97.12) v1(234.28,45.42) v1(234.38,83.62) v1(234.38,43.82) v1(234.37,35.75) v1(234.58,42.62) v1(234.68,81.02) v1(234.68,65.02) v1(234.68,61.82) v1(234.78,60.02) v1(234.78,57.82) v1(234.98,95.12) v1(234.98,41.52) v1(235.08,51.32) v1(235.08,38.42) v1(235.24,94.25) v1(235.18,84.52) v1(235.18,48.62) v1(235.18,40.52) v1(235.38,45.42) v1(235.38,43.82) v1(235.38,39.52) v1(235.48,97.12) v1(235.48,46.82) v1(235.5,44.42) v1(235.58,86.42) v1(235.58,43.32) v1(235.67,35.75) v1(235.78,63.82) v1(235.88,51.62) v1(236.28,65.12) v1(236.28,42.02) v1(236.38,81.72) v1(236.38,67.42) v1(236.38,45.42) v1(236.38,44.42) v1(236.48,80.02) v1(236.48,78.42) v1(236.48,61.82) v1(236.48,59.92) v1(236.54,58.38) v1(236.68,97.12) v1(236.68,88.92) v1(236.78,40.82) v1(236.98,87.52) v1(236.98,84.62) v1(236.98,35.76) v1(237.18,94.42) v1(237.49,70.75) v1(237.48,43.02) v1(237.59,46.65) v1(237.59,45.51) v1(237.68,80.02) v1(237.68,78.42) v1(237.78,95.42) v1(237.78,67.32) v1(237.78,58.32) v1(237.88,97.12) v1(237.88,65.12) v1(237.88,61.82) v1(237.98,60.12) v1(237.97,35.73) v1(238.08,85.92) v1(238.08,75.92) v1(238.24,82.75) v1(238.28,96.32) v1(238.28,57.02) v1(238.38,42.42) v1(238.48,94.72) v1(238.49,69.75) v1(238.58,45.62) v1(238.58,39.22) v1(238.68,87.82) v1(238.68,39.79) v1(238.78,81.62) v1(238.98,89.22) v1(238.98,84.12) v1(238.99,78.22) v1(238.98,77.12) v1(238.99,73.75) v1(238.99,53.25) v1(238.98,41.22) v1(239.07,35.73) v1(239.18,91.42) v1(239.28,65.12) v1(239.28,61.82) v1(239.28,59.42) v1(239.48,80.02) v1(239.58,38.92) v1(239.68,42.72) v1(239.68,37.62) v1(239.85,44.38) v1(239.79,39.54) v1(239.88,45.52) v1(239.98,92.62) v1(239.99,73.75) v1(239.99,47.75) v1(240.08,60.22) v1(240.08,57.82) v1(240.07,35.73) v1(240.38,68.52) v1(240.48,82.12) v1(240.49,71.25) v1(240.49,55.75) v1(240.49,53.25) v1(240.49,50.25) v1(240.48,41.02) v1(240.58,88.52) v1(240.58,84.12) v1(240.58,80.22) v1(240.58,45.52) v1(240.68,44.42) v1(240.68,43.12) v1(240.78,37.62) v1(241.07,35.73) v1(241.18,92.62) v1(241.28,90.22) v1(241.38,91.42) v1(241.43,75.2) v1(241.49,72.75) v1(241.49,49.25) v1(241.48,41.82) v1(241.48,39.92) v1(241.58,84.12) v1(241.68,65.5) v1(241.78,63.22) v1(241.88,37.62) v1(242.04,75.8) v1(241.99,56.75) v1(241.99,53.25) v1(242.08,82.02) v1(242.08,70.32) v1(242.07,35.73) v1(242.18,61.72) v1(242.28,89.02) v1(242.38,60.32) v1(242.49,72.75) v1(242.58,92.62) v1(242.68,68.32) v1(242.99,88.5) v1(242.99,48.25) v1(242.99,46.75) v1(243.17,35.73) v1(243.28,90.22) v1(243.48,62.52) v1(243.74,80.5) v1(243.78,92.62) v1(243.95,74.12) v1(243.98,82.02) v1(243.99,58) v1(243.99,43.92) v1(244.24,91.25) v1(244.17,35.73) v1(244.38,71.92) v1(244.49,80.25) v1(244.49,55.75) v1(244.49,54.75) v1(244.49,53.75) v1(244.49,49.25) v1(244.48,38.92) v1(244.58,83.82) v1(244.58,64.62) v1(244.58,63.22) v1(244.58,45.42) v1(244.58,44.52) v1(244.76,61.77) v1(245.27,35.73) v1(245.49,54.5) v1(245.49,43.25) v1(245.85,61.75) v1(245.83,61.13) v1(245.79,42.75) v1(245.83,38.92) v1(245.98,74.02) v1(245.98,71.92) v1(245.98,53.82) v1(246.08,75.62) v1(246.24,56.75) v1(246.24,55) v1(246.74,90.75) v1(246.78,87.62) v1(246.88,52.82) v1(247.18,72.22) v1(247.18,49.42) v1(249.08,75.62) v1(249.08,74.02) v1(249.08,56.82) v1(249.28,37.02) v1(249.74,53.5) v1(249.78,86.52) v1(249.93,48.29) v1(250.48,71.52) v1(250.48,38.92) v1(250.68,74.02) v1(250.74,53.5) v1(250.98,75.82) v1(251.08,90.52) v1(251.08,42.02) v1(251.38,37.03) v1(251.78,81.72) v1(251.98,56.12) v1(251.98,43.72) v1(252.08,46.32) v1(252.18,89.82) v1(252.18,71.02) v1(252.48,80.02) v1(252.48,59.62) v1(252.58,58.72) v1(252.68,73.02) v1(253.08,74.62) v1(253.08,56.92) v1(253.15,55.59) v1(253.18,81.22) v1(253.38,77.62) v1(253.38,53.42) v1(253.48,75.92) v1(253.54,54.7) v1(253.49,41.75) v1(253.58,35.73) v1(253.98,80.52) v1(253.98,71.22) v1(253.99,39.25) v1(254.18,58.72) v1(254.48,35.73) v1(254.58,84.92) v1(254.68,79.22) v1(254.88,55.75) v1(255.18,65.42) v1(255.18,63.22) v1(255.28,77.62) v1(255.28,76.02) v1(255.28,45.72) v1(255.38,35.73) v1(255.48,83.52) v1(255.58,92.82) v1(255.78,71.02) v1(255.88,91.52) v1(255.93,61.3) v1(255.99,59.25) v1(256.18,82.72) v1(256.18,80.92) v1(256.28,90.52) v1(256.28,89.02) v1(256.35,79.22) v1(256.28,65.52) v1(256.38,46.82) v1(256.38,44.72) v1(256.48,92.82) v1(256.54,60.7) v1(256.58,91.82) v1(256.68,84.22) v1(256.78,70.12) v1(257.43,62.8) v1(258.04,62.2) v1(258.58,84.22) v1(258.68,70.22) v1(258.88,42.22) v1(258.99,91.25) v1(258.99,88.75) v1(258.98,51.82) v1(259.08,92.82) v1(259.08,61.12) v1(259.08,49.42) v1(259.24,80.5) v1(259.28,81.72) v1(259.28,79.02) v1(259.48,82.72) v1(259.49,65.02) v1(259.49,40.75) v1(259.49,39.72) v1(259.49,38.52) v1(259.49,36.42) v1(259.58,84.02) v1(259.68,87.62) v1(259.88,57.02) v1(259.98,89.62) v1(259.98,71.22) v1(259.99,37.25) v1(260.08,91.42) v1(260.28,75.82) v1(260.38,52.92) v1(260.48,70.62) v1(260.48,65.02) v1(260.68,80.12) v1(260.68,68.72) v1(260.68,55.92) v1(260.78,88.72) v1(260.78,54.42) v1(260.78,36.4) v1(260.88,74.02) v1(260.88,49.42) v1(260.99,84.75) v1(260.98,81.72) v1(260.98,43.62) v1(261.08,39.32) v1(261.48,87.62) v1(261.49,37.25) v1(261.68,89.82) v1(261.68,75.22) v1(261.68,71.92) v1(261.78,92.3) v1(261.78,68.52) v1(261.94,61.79) v1(261.88,56.02) v1(261.98,54.72) v1(262.08,50.62) v1(262.28,49.62) v1(262.65,80.33) v1(262.68,76.62) v1(262.68,74.12) v1(262.78,72.02) v1(262.78,37.62) v1(262.99,61.25) v1(263.18,43.22) v1(263.28,80.3) v1(263.38,82.02) v1(263.48,63.62) v1(263.49,62) v1(263.48,36.4) v1(263.58,45.52) v1(263.68,55.22) v1(263.78,83.62) v1(263.78,76.92) v1(263.78,73.02) v1(263.78,64.62) v1(263.88,80.52) v1(263.88,38.92) v1(264.18,44.42) v1(264.49,62) v1(264.58,92.3) v1(264.58,90.92) v1(264.58,42.32) v1(264.99,61.25) v1(264.98,57.12) v1(265.03,48.86) v1(264.98,38.52) v1(265.08,76.22) v1(265.08,72.52) v1(265.08,37.12) v1(265.18,74.32) v1(265.18,42.92) v1(265.28,54.42) v1(265.38,81.02) v1(265.48,67.02) v1(265.74,53.25) v1(266.08,76.12) v1(266.24,90.92) v1(266.49,67.25) v1(266.48,48.82) v1(266.88,92.3) v1(267.18,36.4) v1(267.38,56.22) v1(267.38,38.22) v1(267.49,54.59) v1(267.48,37.12) v1(267.78,74.32) v1(267.78,72.42) v1(267.98,49.02) v1(268.58,67.62) v1(268.68,76.02) v1(268.78,86.62) v1(269.18,92.3) v1(269.18,90.92) v1(269.28,61.82) v1(269.38,80.72) v1(269.38,48.22) v1(269.48,42.52) v1(269.78,74.32) v1(269.78,72.42) v1(269.88,86.32) v1(269.98,56.32) v1(269.99,54.42) v1(269.99,52.25) v1(269.98,38.32) v1(269.98,37.22) v1(270.08,67.22) v1(270.38,36.5) v1(270.58,80.22) v1(270.58,62.32) v1(270.58,42.92) v1(270.88,84.42) v1(270.98,82.42) v1(270.98,65.72) v1(270.98,46.72) v1(270.98,44.02) v1(271.08,63.12) v1(271.08,52.12) v1(271.18,90.12) v1(271.38,77.82) v1(271.48,54.92) v1(271.58,92.3) v1(271.58,90.92) v1(271.58,58.82) v1(271.68,74.12) v1(271.68,72.42) v1(271.78,76.32) v1(272.18,79.42) v1(272.28,80.82) v1(272.58,59.02) v1(272.58,42.72) v1(272.68,71.22) v1(272.78,56.52) v1(272.88,73.72) v1(272.88,40.72) v1(273.08,90.32) v1(273.08,77.32) v1(273.08,53.82) v1(273.08,52.12) v1(273.08,38.22) v1(273.28,75.02) v1(273.58,79.22) v1(273.68,80.92) v1(273.78,65.32) v1(273.78,63.52) v1(273.78,59.92) v1(273.78,37.52) v1(274.08,92.3) v1(274.08,36.5) v1(274.18,90.92) v1(274.28,46.82) v1(274.68,58.12) v1(274.68,56.92) v1(274.68,55.62) v1(274.68,54.42) v1(274.68,53.42) v1(274.79,83.9) v1(274.79,80.9) v1(274.79,79.3) v1(274.78,77.12) v1(274.78,75.52) v1(274.78,73.92) v1(274.78,72.02) v1(274.78,52.22) v1(274.88,44.92) v1(274.88,42.32) v1(274.88,40.12) v1(275.48,91.12) v1(275.68,84.92) v1(275.78,83.4) v1(275.78,81.7) v1(275.78,80.1) v1(275.78,77.9) v1(275.78,76) v1(275.78,73.9) v1(275.78,72) v1(275.78,69.7) v1(275.78,55.12) v1(275.78,53.92) v1(275.78,52.62) v1(275.78,51.42) v1(275.88,59.32) v1(275.88,44.82) v1(275.88,42.22) v1(275.88,39.62) v1(276.28,64.2) v1(276.48,92.3) v1(276.48,90) v1(276.48,88.92) v1(276.48,40.8) v1(276.48,38.6) v1(276.48,36.5) v1(276.58,84.7) v1(276.58,47) v1(276.58,46.1) v1(276.68,66.2) v1(276.68,65.1) v1(276.68,60.8) v1(276.68,58.8) v1(276.68,56.9) v1(276.68,55.2) v1(276.68,53) v1(276.68,51.2) v1(276.68,43.5) v2(220.61,54.37)
